# Altium PCB XTIDA-010086.PcbDoc (part 4 of 17) (continued)
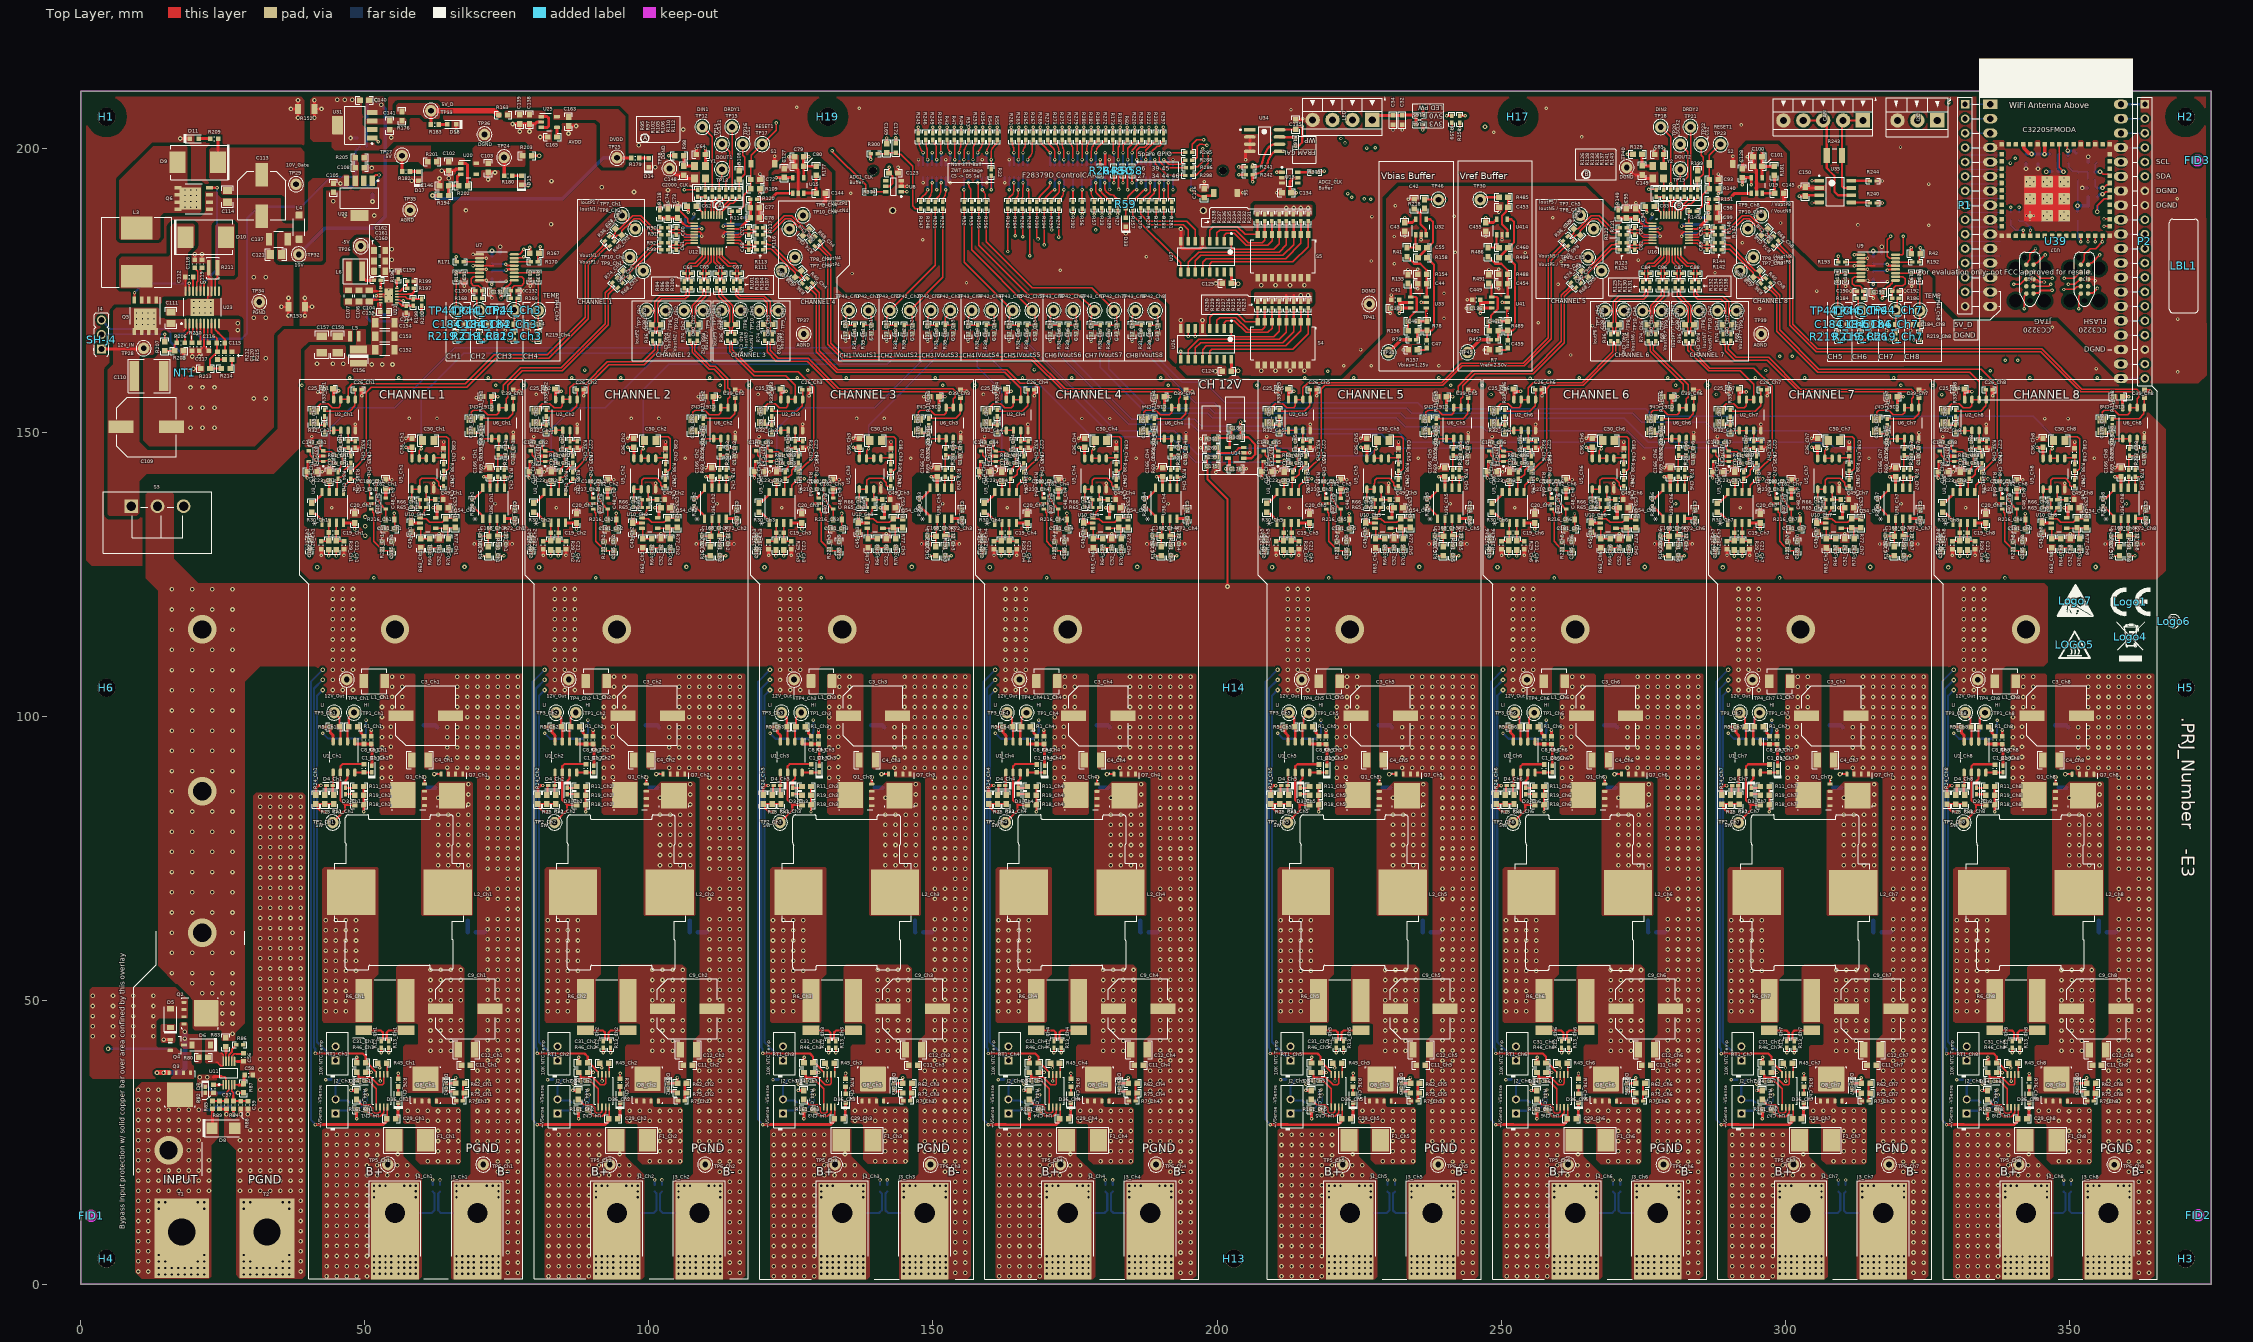
[diagram p0: Top Layer view]
## Components (designator, comment, footprint, x,y, rotation, side; value= is the part's Value field where it differs from the comment) (continued)
R219_Ch8 "PNM0402E5000BST1" 0402 323.681,166.814 r90 top value=500 (schematic designator R219)
R220 "CRCW04020000Z0ED" 0402 185.477,202.006 r90 top value=0
R221_Ch1 "ERA-3YEB302V" RESC1608X55X30NL20T20 53.035,129.985 r270 top (schematic designator R221)
R221_Ch2 "ERA-3YEB302V" RESC1608X55X30NL20T20 92.1,129.983 r270 top (schematic designator R221)
R221_Ch3 "ERA-3YEB302V" RESC1608X55X30NL20T20 131.775,129.981 r270 top (schematic designator R221)
R221_Ch4 "ERA-3YEB302V" RESC1608X55X30NL20T20 171.45,129.979 r270 top (schematic designator R221)
R221_Ch5 "ERA-3YEB302V" RESC1608X55X30NL20T20 221.125,129.977 r270 top (schematic designator R221)
R221_Ch6 "ERA-3YEB302V" RESC1608X55X30NL20T20 260.8,129.975 r270 top (schematic designator R221)
R221_Ch7 "ERA-3YEB302V" RESC1608X55X30NL20T20 300.474,129.973 r270 top (schematic designator R221)
R221_Ch8 "ERA-3YEB302V" RESC1608X55X30NL20T20 340.149,129.971 r270 top (schematic designator R221)
R222 "CRCW04020000Z0ED" 0402 188.025,202.006 r90 top value=0
R223 "CRCW040210K0FKED" 0402 216.036,172.378 r270 top value=10.0k
R224 "CRCW040210K0FKED" 0402 214.74,172.378 r270 top value=10.0k
R225 "CRCW040210K0FKED" 0402 213.496,172.378 r270 top value=10.0k
R226 "CRCW040210K0FKED" 0402 212.226,172.378 r270 top value=10.0k
R227 "CRCW040210K0FKED" 0402 210.956,172.378 r270 top value=10.0k
R228 "CRCW040210K0FKED" 0402 209.686,172.378 r270 top value=10.0k
R229 "CRCW040210K0FKED" 0402 208.416,172.378 r270 top value=10.0k
R230 "CRCW040210K0FKED" 0402 207.146,172.378 r270 top value=10.0k
R231 "CRCW040210K0FKED" 0402 216.036,187.736 r270 top value=10.0k
R232 "CRCW040210K0FKED" 0402 214.737,187.736 r270 top value=10.0k
R233 "CRCW040210K0FKED" 0402 213.445,187.736 r270 top value=10.0k
R234 "CRCW040210K0FKED" 0402 212.175,187.736 r270 top value=10.0k
R235 "CRCW040210K0FKED" 0402 210.93,187.736 r270 top value=10.0k
R236 "CRCW040210K0FKED" 0402 209.66,187.736 r270 top value=10.0k
R237 "CRCW040210K0FKED" 0402 208.39,187.736 r270 top value=10.0k
R238 "CRCW040210K0FKED" 0402 207.095,187.736 r270 top value=10.0k
R239 "FC0402E50R0BST1" 0402 189.299,202.006 r270 top value=50
R240 "CRCW040210K0FKED" 0402 315.501,190.322 r0 top value=10.0k
R241 "CRCW040210K0FKED" 0402 205.663,196.66 r180 top value=10.0k
R242 "CRCW040210K0FKED" 0402 205.663,195.288 r180 top value=10.0k
R243 "Res3" 14-1210 308.681,198.697 r0 top value=1K
R244 "CRCW040210K0FKED" 0402 315.501,194.192 r180 top value=10.0k
R245 "CRCW04020000Z0ED" 0402 147.437,202.006 r270 top value=0
R246 "CRCW04020000Z0ED" 0402 148.697,202.006 r270 top value=0
R247 "CRCW04020000Z0ED" 0402 147.864,189.922 r90 top value=0
R248 "CRCW04020000Z0ED" 0402 149.14,189.922 r90 top value=0
R249 "CRCW04020000Z0ED" 0402 149.957,202.006 r270 top value=0
R250 "CRCW04020000Z0ED" 0402 151.218,202.006 r270 top value=0
R251 "CRCW04020000Z0ED" 0402 150.416,189.922 r90 top value=0
R252 "CRCW04020000Z0ED" 0402 151.693,189.922 r90 top value=0
R253 "CRCW04020000Z0ED" 0402 157.518,202.006 r270 top value=0
R254 "CRCW04020000Z0ED" 0402 158.778,202.006 r270 top value=0
R255 "CRCW04020000Z0ED" 0402 158.073,189.922 r90 top value=0
R256 "CRCW04020000Z0ED" 0402 159.349,189.922 r90 top value=0
R257 "CRCW04020000Z0ED" 0402 185.196,189.959 r90 top value=0
R258 "CRCW040210K0FKED" 0402 242.748,205.08 r90 top value=10.0k
R259 "CRCW040210K0FKED" 0402 241.351,205.08 r90 top value=10.0k
R260 "13k 0603" 0603 199.017,147.221 r180 top value=13k
R261 "CRCW04020000Z0ED" 0402 163.819,202.006 r270 top value=0
R262 "CRCW04020000Z0ED" 0402 163.178,189.922 r90 top value=0
R263 "CRCW04020000Z0ED" 0402 165.093,202.006 r270 top value=0
R264 "CRCW04020000Z0ED" 0402 164.454,189.922 r90 top value=0
R265 "CRCW04020000Z0ED" 0402 166.367,202.006 r270 top value=0
R266 "CRCW04020000Z0ED" 0402 165.73,189.922 r90 top value=0
R267 "CRCW04020000Z0ED" 0402 167.641,202.006 r270 top value=0
R268 "CRCW04020000Z0ED" 0402 167.006,189.922 r90 top value=0
R269 "CRCW04020000Z0ED" 0402 168.915,202.006 r270 top value=0
R270 "CRCW04020000Z0ED" 0402 186.562,189.959 r90 top value=0
R271 "CRCW04020000Z0ED" 0402 170.189,202.006 r270 top value=0
R272 "CRCW04020000Z0ED" 0402 180.381,202.006 r90 top value=0
R273 "CRCW04020000Z0ED" 0402 171.463,202.006 r270 top value=0
R274 "CRCW04020000Z0ED" 0402 172.111,189.922 r90 top value=0
R275 "CRCW04020000Z0ED" 0402 172.737,202.006 r270 top value=0
R276 "CRCW04020000Z0ED" 0402 189.293,189.959 r90 top value=0
R277 "FC0402E50R0BST1" 0402 174.011,202.006 r270 top value=50
R278 "CRCW04020000Z0ED" 0402 187.927,189.959 r90 top value=0
R279 "FC0402E50R0BST1" 0402 175.285,202.006 r270 top value=50
R280 "FC0402E50R0BST1" 0402 176.559,202.006 r90 top value=50
R281 "CRCW04020000Z0ED" 0402 192.024,189.959 r270 top value=0
R282 "FC0402E50R0BST1" 0402 177.833,202.006 r90 top value=50
R283 "CRCW04020000Z0ED" 0402 190.658,189.959 r90 top value=0
R284 "FC0402E50R0BST1" 0402 179.107,202.006 r270 top value=50
R285 "FC0402E50R0BST1" 0402 195.033,199.263 r0 top value=50
R286 "FC0402E50R0BST1" 0402 195.059,196.535 r180 top value=50
R287_Ch1 "CRCW040211K0FKED" 0402 74.828,146.482 r90 top value=11.0k (schematic designator R287)
R287_Ch2 "CRCW040211K0FKED" 0402 113.894,146.48 r90 top value=11.0k (schematic designator R287)
R287_Ch3 "CRCW040211K0FKED" 0402 153.568,146.478 r90 top value=11.0k (schematic designator R287)
R287_Ch4 "CRCW040211K0FKED" 0402 193.243,146.476 r90 top value=11.0k (schematic designator R287)
R287_Ch5 "CRCW040211K0FKED" 0402 242.918,146.474 r90 top value=11.0k (schematic designator R287)
R287_Ch6 "CRCW040211K0FKED" 0402 282.593,146.472 r90 top value=11.0k (schematic designator R287)
R287_Ch7 "CRCW040211K0FKED" 0402 322.268,146.47 r90 top value=11.0k (schematic designator R287)
R287_Ch8 "CRCW040211K0FKED" 0402 361.942,146.468 r90 top value=11.0k (schematic designator R287)
R288 "FC0402E50R0BST1" 0402 195.033,197.873 r180 top value=50
R289 "CRCW04020000Z0ED" 0402 181.1,189.959 r90 top value=0
R290_Ch1 "CRCW04020000Z0ED" 0402 68.891,137.509 r90 top value=0 (schematic designator R290)
R290_Ch2 "CRCW04020000Z0ED" 0402 107.956,137.507 r90 top value=0 (schematic designator R290)
R290_Ch3 "CRCW04020000Z0ED" 0402 147.631,137.505 r90 top value=0 (schematic designator R290)
R290_Ch4 "CRCW04020000Z0ED" 0402 187.305,137.503 r90 top value=0 (schematic designator R290)
R290_Ch5 "CRCW04020000Z0ED" 0402 236.98,137.501 r90 top value=0 (schematic designator R290)
R290_Ch6 "CRCW04020000Z0ED" 0402 276.655,137.499 r90 top value=0 (schematic designator R290)
R290_Ch7 "CRCW04020000Z0ED" 0402 316.33,137.497 r90 top value=0 (schematic designator R290)
R290_Ch8 "CRCW04020000Z0ED" 0402 356.005,137.495 r90 top value=0 (schematic designator R290)
R291_Ch1 "CRCW060349K9FKEA" 0603 73.415,129.051 r270 top value=49.9k (schematic designator R291)
R291_Ch2 "CRCW060349K9FKEA" 0603 112.48,129.049 r270 top value=49.9k (schematic designator R291)
R291_Ch3 "CRCW060349K9FKEA" 0603 152.155,129.047 r270 top value=49.9k (schematic designator R291)
R291_Ch4 "CRCW060349K9FKEA" 0603 191.83,129.045 r270 top value=49.9k (schematic designator R291)
R291_Ch5 "CRCW060349K9FKEA" 0603 241.504,129.043 r270 top value=49.9k (schematic designator R291)
R291_Ch6 "CRCW060349K9FKEA" 0603 281.179,129.041 r270 top value=49.9k (schematic designator R291)
R291_Ch7 "CRCW060349K9FKEA" 0603 320.854,129.039 r270 top value=49.9k (schematic designator R291)
R291_Ch8 "CRCW060349K9FKEA" 0603 360.529,129.037 r270 top value=49.9k (schematic designator R291)
R292 "FC0402E50R0BST1" 0402 174.65,189.922 r270 top value=50
R293 "CRCW04020000Z0ED" 0402 168.282,189.922 r270 top value=0
R294 "CRCW04020000Z0ED" 0402 169.559,189.922 r270 top value=0
R295 "CRCW04020000Z0ED" 0402 170.835,189.922 r270 top value=0
R296 "CRCW04020000Z0ED" 0402 186.751,202.006 r90 top value=0
R297 "CRCW04020000Z0ED" 0402 190.573,202.006 r270 top value=0
R298 "FC0402E50R0BST1" 0402 195.033,195.162 r180 top value=50
R299 "RT0603BRD07100KL" 0603 199.017,145.606 r0 top value=100k
R300 "CRCW04020000Z0ED" 0402 139.656,199.007 r0 top value=0
R301 "RT0603BRD07100KL" 0603 199.017,148.822 r0 top value=100k
R302_Ch1 "CRCW04022K70JNED" 0402 70.51,149.149 r90 top value=2.7k (schematic designator R302)
R302_Ch2 "CRCW04022K70JNED" 0402 109.576,149.147 r90 top value=2.7k (schematic designator R302)
R302_Ch3 "CRCW04022K70JNED" 0402 149.25,149.145 r90 top value=2.7k (schematic designator R302)
R302_Ch4 "CRCW04022K70JNED" 0402 188.925,149.143 r90 top value=2.7k (schematic designator R302)
R302_Ch5 "CRCW04022K70JNED" 0402 238.6,149.141 r90 top value=2.7k (schematic designator R302)
R302_Ch6 "CRCW04022K70JNED" 0402 278.275,149.139 r90 top value=2.7k (schematic designator R302)
R302_Ch7 "CRCW04022K70JNED" 0402 317.95,149.137 r90 top value=2.7k (schematic designator R302)
R302_Ch8 "CRCW04022K70JNED" 0402 357.624,149.135 r90 top value=2.7k (schematic designator R302)
R303 "13k 0603" 0603 203.335,149.05 r180 top value=13k
R304 "FC0402E50R0BST1" 0402 138.875,192.302 r180 top value=50
R305 "FC0402E50R0BST1" 0402 217.218,195.745 r0 top value=50
R306 "RC0603FR-07100KL" 0603 347.447,198.933 r180 bottom value=100k
R307 "RC0603FR-07100KL" 0603 354.162,191.376 r180 bottom value=100k
R308 "RC0603FR-07100KL" 0603 354.162,189.756 r180 bottom value=100k
R309 "RC0603FR-07100KL" 0603 351.473,188.072 r90 bottom value=100k
R310 "CRCW04020000Z0ED" 0402 339.682,187.946 r90 bottom value=0
R311 "CRCW04020000Z0ED" 0402 341.161,187.946 r90 bottom value=0
R312 "FC0402E50R0BST1" 0402 351.619,194.996 r270 bottom value=50
R313 "CRCW04020000Z0ED" 0402 349.773,197.968 r90 bottom value=0
R314 "CRCW04020000Z0ED" 0402 353.858,195.802 r0 bottom value=0
R315 "CRCW04020000Z0ED" 0402 353.858,194.478 r0 bottom value=0
R316 "2.7k" 0603R 354.1,192.974 r0 bottom
R317 "RC0603FR-07100KL" 0603 354.162,197.472 r0 bottom value=100k
R318 "RC0603FR-07100KL" 0603 351.244,198.272 r90 bottom value=100k
R457 "ERJ-2GE0R00X" 0402 248.747,166.258 r180 top value=0
R485 "RG1608P-102-B-T5" 0603 250.424,191.326 r0 top value=1.00k
R486 "RG1608P-2491-B-T5" 0603 247.706,181.676 r270 top value=2.49k
R488 "RG1608P-4991-B-T5" 0603 250.38,177.763 r0 top value=4.99k
R489 "CRCW06032R00JNEA" 0603 251.211,168.676 r270 top value=2.0
R491 "RG1608P-102-B-T5" 0603 247.864,176.941 r270 top value=1.00k
R492 "RG1608P-4990-B-T5" 0603 248.697,167.844 r0 top value=499
R494 "RG1608P-303-B-T5" 0603 250.424,180.711 r0 top value=30.0k
RT1_Ch1 "Res Thermal" JST_B2B-EH-A 44.856,40.618 r90 top (schematic designator RT1)
RT1_Ch2 "Res Thermal" JST_B2B-EH-A 83.922,40.616 r90 top (schematic designator RT1)
RT1_Ch3 "Res Thermal" JST_B2B-EH-A 123.596,40.614 r90 top (schematic designator RT1)
RT1_Ch4 "Res Thermal" JST_B2B-EH-A 163.271,40.612 r90 top (schematic designator RT1)
RT1_Ch5 "Res Thermal" JST_B2B-EH-A 212.946,40.61 r90 top (schematic designator RT1)
RT1_Ch6 "Res Thermal" JST_B2B-EH-A 252.621,40.608 r90 top (schematic designator RT1)
RT1_Ch7 "Res Thermal" JST_B2B-EH-A 292.296,40.606 r90 top (schematic designator RT1)
RT1_Ch8 "Res Thermal" JST_B2B-EH-A 331.97,40.604 r90 top (schematic designator RT1)
S1 "Switch_PushButton" SW_TL1015AF160QG 120.043,197.231 r0 top
S2 "Switch_PushButton" SW_TL1015AF160QG 288.743,197.223 r0 top
S3 "L101011MS02Q" "SW_ L101011MS02Q" 13.487,134.087 r90 top
S4 "218-8LPST" SW_218-8LP 211.591,165.622 r270 top
S5 "218-8LPST" SW_218-8LP 211.591,180.979 r270 top
S6 "Switch_PushButton" SW_TL1015AF160QG 201.512,192.102 r0 top
SH-J4 "60900213421" WURTH_60900213421 3.658,166.218 r90 top
T1 "CB35-36-CY" CB35-36-CY 17.763,9.209 r90 top
T2 "CB35-36-CY" CB35-36-CY 32.749,9.209 r90 top
TP1_Ch1 "5002" KEYSTONE5002 48.067,100.612 r90 top (schematic designator TP1)
TP1_Ch2 "5002" KEYSTONE5002 87.133,100.61 r90 top (schematic designator TP1)
TP1_Ch3 "5002" KEYSTONE5002 126.807,100.608 r90 top (schematic designator TP1)
TP1_Ch4 "5002" KEYSTONE5002 166.482,100.606 r90 top (schematic designator TP1)
TP1_Ch5 "5002" KEYSTONE5002 216.157,100.604 r90 top (schematic designator TP1)
TP1_Ch6 "5002" KEYSTONE5002 255.832,100.602 r90 top (schematic designator TP1)
TP1_Ch7 "5002" KEYSTONE5002 295.507,100.6 r90 top (schematic designator TP1)
TP1_Ch8 "5002" KEYSTONE5002 335.181,100.598 r90 top (schematic designator TP1)
TP2_Ch1 "5000" KEYSTONE5000 44.333,81.262 r180 top (schematic designator TP2)
TP2_Ch2 "5000" KEYSTONE5000 83.398,81.26 r180 top (schematic designator TP2)
TP2_Ch3 "5000" KEYSTONE5000 123.073,81.258 r180 top (schematic designator TP2)
TP2_Ch4 "5000" KEYSTONE5000 162.748,81.256 r180 top (schematic designator TP2)
TP2_Ch5 "5000" KEYSTONE5000 212.423,81.254 r180 top (schematic designator TP2)
TP2_Ch6 "5000" KEYSTONE5000 252.097,81.252 r180 top (schematic designator TP2)
TP2_Ch7 "5000" KEYSTONE5000 291.772,81.25 r180 top (schematic designator TP2)
TP2_Ch8 "5000" KEYSTONE5000 331.447,81.248 r180 top (schematic designator TP2)
TP3_Ch1 "5002" KEYSTONE5002 44.597,100.612 r90 top (schematic designator TP3)
TP3_Ch2 "5002" KEYSTONE5002 83.663,100.61 r90 top (schematic designator TP3)
TP3_Ch3 "5002" KEYSTONE5002 123.337,100.608 r90 top (schematic designator TP3)
TP3_Ch4 "5002" KEYSTONE5002 163.012,100.606 r90 top (schematic designator TP3)
TP3_Ch5 "5002" KEYSTONE5002 212.687,100.604 r90 top (schematic designator TP3)
TP3_Ch6 "5002" KEYSTONE5002 252.362,100.602 r90 top (schematic designator TP3)
TP3_Ch7 "5002" KEYSTONE5002 292.037,100.6 r90 top (schematic designator TP3)
TP3_Ch8 "5002" KEYSTONE5002 331.711,100.598 r90 top (schematic designator TP3)
TP4_Ch1 "5000" KEYSTONE5000 46.812,106.426 r90 top (schematic designator TP4)
TP4_Ch2 "5000" KEYSTONE5000 85.877,106.424 r90 top (schematic designator TP4)
TP4_Ch3 "5000" KEYSTONE5000 125.552,106.422 r90 top (schematic designator TP4)
TP4_Ch4 "5000" KEYSTONE5000 165.227,106.42 r90 top (schematic designator TP4)
TP4_Ch5 "5000" KEYSTONE5000 214.902,106.418 r90 top (schematic designator TP4)
TP4_Ch6 "5000" KEYSTONE5000 254.577,106.416 r90 top (schematic designator TP4)
TP4_Ch7 "5000" KEYSTONE5000 294.251,106.414 r90 top (schematic designator TP4)
TP4_Ch8 "5000" KEYSTONE5000 333.926,106.412 r90 top (schematic designator TP4)
TP5_Ch1 "5000" KEYSTONE5000 54.035,21.057 r90 top (schematic designator TP5)
TP5_Ch2 "5000" KEYSTONE5000 93.101,21.055 r90 top (schematic designator TP5)
TP5_Ch3 "5000" KEYSTONE5000 132.775,21.053 r90 top (schematic designator TP5)
TP5_Ch4 "5000" KEYSTONE5000 172.45,21.051 r90 top (schematic designator TP5)
TP5_Ch5 "5000" KEYSTONE5000 222.125,21.049 r90 top (schematic designator TP5)
TP5_Ch6 "5000" KEYSTONE5000 261.8,21.047 r90 top (schematic designator TP5)
TP5_Ch7 "5000" KEYSTONE5000 301.475,21.045 r90 top (schematic designator TP5)
TP5_Ch8 "5000" KEYSTONE5000 341.149,21.043 r90 top (schematic designator TP5)
TP6_Ch1 "5001" KEYSTONE5001 70.841,21.057 r90 top (schematic designator TP6)
TP6_Ch2 "5001" KEYSTONE5001 109.906,21.055 r90 top (schematic designator TP6)
TP6_Ch3 "5001" KEYSTONE5001 149.581,21.053 r90 top (schematic designator TP6)
TP6_Ch4 "5001" KEYSTONE5001 189.255,21.051 r90 top (schematic designator TP6)
TP6_Ch5 "5001" KEYSTONE5001 238.93,21.049 r90 top (schematic designator TP6)
TP6_Ch6 "5001" KEYSTONE5001 278.605,21.047 r90 top (schematic designator TP6)
TP6_Ch7 "5001" KEYSTONE5001 318.28,21.045 r90 top (schematic designator TP6)
TP6_Ch8 "5001" KEYSTONE5001 357.955,21.043 r90 top (schematic designator TP6)
TP7_Ch1 "5002" KEYSTONE5002 95.239,188.141 r135 top (schematic designator TP7)
TP7_Ch2 "5002" KEYSTONE5002 99.587,171.366 r180 top (schematic designator TP7)
TP7_Ch3 "5002" KEYSTONE5002 112.793,171.415 r180 top (schematic designator TP7)
TP7_Ch4 "5002" KEYSTONE5002 123.34,178.399 r225 top (schematic designator TP7)
TP7_Ch5 "5002" KEYSTONE5002 263.929,188.143 r135 top (schematic designator TP7)
TP7_Ch6 "5002" KEYSTONE5002 268.28,171.358 r180 top (schematic designator TP7)
TP7_Ch7 "5002" KEYSTONE5002 281.491,171.358 r180 top (schematic designator TP7)
TP7_Ch8 "5002" KEYSTONE5002 292.039,178.391 r225 top (schematic designator TP7)
TP8_Ch1 "5002" KEYSTONE5002 97.61,185.77 r135 top (schematic designator TP8)
TP8_Ch2 "5002" KEYSTONE5002 102.94,171.366 r180 top (schematic designator TP8)
TP8_Ch3 "5002" KEYSTONE5002 116.145,171.415 r180 top (schematic designator TP8)
TP8_Ch4 "5002" KEYSTONE5002 125.711,180.77 r225 top (schematic designator TP8)
TP8_Ch5 "5002" KEYSTONE5002 266.299,185.773 r135 top (schematic designator TP8)
TP8_Ch6 "5002" KEYSTONE5002 271.633,171.358 r180 top (schematic designator TP8)
TP8_Ch7 "5002" KEYSTONE5002 284.844,171.358 r180 top (schematic designator TP8)
TP8_Ch8 "5002" KEYSTONE5002 294.41,180.762 r225 top (schematic designator TP8)
TP9_Ch1 "5002" KEYSTONE5002 98.993,178.399 r225 top (schematic designator TP9)
TP9_Ch2 "5002" KEYSTONE5002 109.542,171.366 r270 top (schematic designator TP9)
TP9_Ch3 "5002" KEYSTONE5002 122.761,171.366 r270 top (schematic designator TP9)
TP9_Ch4 "5002" KEYSTONE5002 127.108,188.141 r315 top (schematic designator TP9)
TP9_Ch5 "5002" KEYSTONE5002 267.693,178.391 r225 top (schematic designator TP9)
TP9_Ch6 "5002" KEYSTONE5002 278.273,171.327 r270 top (schematic designator TP9)
TP9_Ch7 "5002" KEYSTONE5002 291.467,171.351 r270 top (schematic designator TP9)
TP9_Ch8 "5002" KEYSTONE5002 295.818,188.157 r315 top (schematic designator TP9)
TP10_Ch1 "5002" KEYSTONE5002 96.623,180.77 r225 top (schematic designator TP10)
TP10_Ch2 "5002" KEYSTONE5002 106.189,171.366 r270 top (schematic designator TP10)
TP10_Ch3 "5002" KEYSTONE5002 119.408,171.366 r270 top (schematic designator TP10)
TP10_Ch4 "5002" KEYSTONE5002 124.738,185.77 r315 top (schematic designator TP10)
TP10_Ch5 "5002" KEYSTONE5002 265.322,180.762 r225 top (schematic designator TP10)
TP10_Ch6 "5002" KEYSTONE5002 274.92,171.327 r270 top (schematic designator TP10)
TP10_Ch7 "5002" KEYSTONE5002 288.114,171.351 r270 top (schematic designator TP10)
TP10_Ch8 "5002" KEYSTONE5002 293.447,185.787 r315 top (schematic designator TP10)
TP12 "5002" KEYSTONE5002 109.401,203.708 r180 top
TP13 "5002" KEYSTONE5002 112.855,196.241 r180 top
TP14 "5002" KEYSTONE5002 112.855,200.686 r180 top
TP15 "5002" KEYSTONE5002 114.643,203.708 r180 top
TP16 "5002" KEYSTONE5002 116.513,200.686 r180 top
TP17 "5002" KEYSTONE5002 119.942,200.686 r180 top
TP18 "5002" KEYSTONE5002 278.1,203.7 r180 top
TP19 "5002" KEYSTONE5002 281.554,196.233 r180 top
TP20 "5002" KEYSTONE5002 281.554,200.678 r180 top
TP21 "5002" KEYSTONE5002 283.342,203.7 r180 top
TP22 "5002" KEYSTONE5002 285.212,200.678 r180 top
TP23 "5002" KEYSTONE5002 288.641,200.678 r180 top
TP24 "5000" KEYSTONE5000 74.508,198.335 r90 top
TP25 "5000" KEYSTONE5000 94.361,198.272 r180 top
TP26 "5000" KEYSTONE5000 49.276,182.728 r180 top
TP27 "5000" KEYSTONE5000 56.54,198.653 r90 top
TP28 "5000" KEYSTONE5000 11.062,164.737 r180 top
TP29 "5000" KEYSTONE5000 37.871,193.617 r180 top
TP30 "5000" KEYSTONE5000 246.337,190.906 r0 top
TP31 "5000" KEYSTONE5000 230.193,164.015 r0 top
TP32 "5000" KEYSTONE5000 38.359,181.272 r90 top
TP33 "5000" KEYSTONE5000 61.62,206.553 r90 top
TP34 "5001" KEYSTONE5001 31.42,172.872 r90 top
TP35 "5001" KEYSTONE5001 57.963,189.052 r90 top
TP36 "5001" KEYSTONE5001 71.044,202.387 r90 top
TP37 "5001" KEYSTONE5001 127.247,167.242 r90 top
TP38 "5001" KEYSTONE5001 103.607,196.403 r90 top
TP39 "5001" KEYSTONE5001 295.8,167.242 r90 top
TP40 "5001" KEYSTONE5001 272.11,196.561 r90 top
TP41 "5001" KEYSTONE5001 226.819,172.541 r90 top
TP42_Ch1 "5002" KEYSTONE5002 138.675,171.394 r90 top (schematic designator TP42)
TP42_Ch2 "5002" KEYSTONE5002 145.877,171.394 r90 top (schematic designator TP42)
TP42_Ch3 "5002" KEYSTONE5002 153.079,171.394 r90 top (schematic designator TP42)
TP42_Ch4 "5002" KEYSTONE5002 160.28,171.394 r90 top (schematic designator TP42)
TP42_Ch5 "5002" KEYSTONE5002 167.482,171.394 r90 top (schematic designator TP42)
TP42_Ch6 "5002" KEYSTONE5002 174.684,171.394 r90 top (schematic designator TP42)
TP42_Ch7 "5002" KEYSTONE5002 181.886,171.394 r90 top (schematic designator TP42)
TP42_Ch8 "5002" KEYSTONE5002 189.087,171.394 r90 top (schematic designator TP42)
TP43_Ch1 "5002" KEYSTONE5002 135.23,171.394 r90 top (schematic designator TP43)
TP43_Ch2 "5002" KEYSTONE5002 142.431,171.394 r90 top (schematic designator TP43)
TP43_Ch3 "5002" KEYSTONE5002 149.633,171.394 r90 top (schematic designator TP43)
TP43_Ch4 "5002" KEYSTONE5002 156.835,171.394 r90 top (schematic designator TP43)
TP43_Ch5 "5002" KEYSTONE5002 164.036,171.394 r90 top (schematic designator TP43)
TP43_Ch6 "5002" KEYSTONE5002 171.238,171.394 r90 top (schematic designator TP43)
TP43_Ch7 "5002" KEYSTONE5002 178.44,171.394 r90 top (schematic designator TP43)
TP43_Ch8 "5002" KEYSTONE5002 185.641,171.394 r90 top (schematic designator TP43)
TP44_Ch1 "5002" KEYSTONE5002 66.088,171.388 r180 top (schematic designator TP44)
TP44_Ch2 "5002" KEYSTONE5002 70.188,171.388 r180 top (schematic designator TP44)
TP44_Ch3 "5002" KEYSTONE5002 76.288,171.463 r180 top (schematic designator TP44)
TP44_Ch4 "5002" KEYSTONE5002 80.515,171.388 r0 top (schematic designator TP44)
TP44_Ch5 "5002" KEYSTONE5002 309.253,171.358 r180 top (schematic designator TP44)
TP44_Ch6 "5002" KEYSTONE5002 313.354,171.358 r180 top (schematic designator TP44)
TP44_Ch7 "5002" KEYSTONE5002 319.454,171.433 r180 top (schematic designator TP44)
TP44_Ch8 "5002" KEYSTONE5002 323.681,171.358 r180 top (schematic designator TP44)
TP45 "5000" KEYSTONE5000 244.094,164.015 r0 top
TP46 "5000" KEYSTONE5000 238.989,190.906 r0 top
U1_Ch1 "LM5109BMAX/NOPB" D0008A_N 46.314,92.788 r270 top (schematic designator U1)
U1_Ch2 "LM5109BMAX/NOPB" D0008A_N 85.379,92.786 r270 top (schematic designator U1)
U1_Ch3 "LM5109BMAX/NOPB" D0008A_N 125.054,92.784 r270 top (schematic designator U1)
U1_Ch4 "LM5109BMAX/NOPB" D0008A_N 164.728,92.782 r270 top (schematic designator U1)
U1_Ch5 "LM5109BMAX/NOPB" D0008A_N 214.403,92.78 r270 top (schematic designator U1)
U1_Ch6 "LM5109BMAX/NOPB" D0008A_N 254.078,92.778 r270 top (schematic designator U1)
U1_Ch7 "LM5109BMAX/NOPB" D0008A_N 293.753,92.776 r270 top (schematic designator U1)
U1_Ch8 "LM5109BMAX/NOPB" D0008A_N 333.428,92.774 r270 top (schematic designator U1)
U2_Ch1 "TLV2171IDR" D0008A_N 46.403,153.01 r90 top (schematic designator U2)
U2_Ch2 "TLV2171IDR" D0008A_N 85.469,153.008 r90 top (schematic designator U2)
U2_Ch3 "TLV2171IDR" D0008A_N 125.143,153.006 r90 top (schematic designator U2)
U2_Ch4 "TLV2171IDR" D0008A_N 164.818,153.004 r90 top (schematic designator U2)
U2_Ch5 "TLV2171IDR" D0008A_N 214.493,153.002 r90 top (schematic designator U2)
U2_Ch6 "TLV2171IDR" D0008A_N 254.168,153 r90 top (schematic designator U2)
U2_Ch7 "TLV2171IDR" D0008A_N 293.843,152.998 r90 top (schematic designator U2)
U2_Ch8 "TLV2171IDR" D0008A_N 333.517,152.996 r90 top (schematic designator U2)
U3_Ch1 "INA818ID" SOIC-8_TEX 44.359,136.735 r90 top (schematic designator U3)
U3_Ch2 "INA818ID" SOIC-8_TEX 83.424,136.733 r90 top (schematic designator U3)
U3_Ch3 "INA818ID" SOIC-8_TEX 123.099,136.731 r90 top (schematic designator U3)
U3_Ch4 "INA818ID" SOIC-8_TEX 162.773,136.729 r90 top (schematic designator U3)
U3_Ch5 "INA818ID" SOIC-8_TEX 212.448,136.727 r90 top (schematic designator U3)
U3_Ch6 "INA818ID" SOIC-8_TEX 252.123,136.725 r90 top (schematic designator U3)
U3_Ch7 "INA818ID" SOIC-8_TEX 291.798,136.723 r90 top (schematic designator U3)
U3_Ch8 "INA818ID" SOIC-8_TEX 331.473,136.721 r90 top (schematic designator U3)
U4_Ch1 "TLC3702CPW" PW8-L 52.993,34.056 r90 top (schematic designator U4)
U4_Ch2 "TLC3702CPW" PW8-L 92.058,34.054 r90 top (schematic designator U4)
U4_Ch3 "TLC3702CPW" PW8-L 131.733,34.052 r90 top (schematic designator U4)
U4_Ch4 "TLC3702CPW" PW8-L 171.408,34.05 r90 top (schematic designator U4)
U4_Ch5 "TLC3702CPW" PW8-L 221.082,34.048 r90 top (schematic designator U4)
U4_Ch6 "TLC3702CPW" PW8-L 260.757,34.046 r90 top (schematic designator U4)
U4_Ch7 "TLC3702CPW" PW8-L 300.432,34.044 r90 top (schematic designator U4)
U4_Ch8 "TLC3702CPW" PW8-L 340.107,34.042 r90 top (schematic designator U4)
U5_Ch1 "TLV2171IDR" D0008A_N 60.198,142.652 r90 top (schematic designator U5)
U5_Ch2 "TLV2171IDR" D0008A_N 99.263,142.65 r90 top (schematic designator U5)
U5_Ch3 "TLV2171IDR" D0008A_N 138.938,142.648 r90 top (schematic designator U5)
U5_Ch4 "TLV2171IDR" D0008A_N 178.613,142.646 r90 top (schematic designator U5)
U5_Ch5 "TLV2171IDR" D0008A_N 228.288,142.644 r90 top (schematic designator U5)
U5_Ch6 "TLV2171IDR" D0008A_N 267.962,142.642 r90 top (schematic designator U5)
U5_Ch7 "TLV2171IDR" D0008A_N 307.637,142.64 r90 top (schematic designator U5)
U5_Ch8 "TLV2171IDR" D0008A_N 347.312,142.638 r90 top (schematic designator U5)
U6_Ch1 "TLV2171IDR" D0008A_N 74.219,151.587 r90 top (schematic designator U6)
U6_Ch2 "TLV2171IDR" D0008A_N 113.284,151.585 r90 top (schematic designator U6)
U6_Ch3 "TLV2171IDR" D0008A_N 152.959,151.583 r90 top (schematic designator U6)
U6_Ch4 "TLV2171IDR" D0008A_N 192.634,151.581 r90 top (schematic designator U6)
U6_Ch5 "TLV2171IDR" D0008A_N 242.308,151.579 r90 top (schematic designator U6)
U6_Ch6 "TLV2171IDR" D0008A_N 281.983,151.577 r90 top (schematic designator U6)
U6_Ch7 "TLV2171IDR" D0008A_N 321.658,151.575 r90 top (schematic designator U6)
U6_Ch8 "TLV2171IDR" D0008A_N 361.333,151.573 r90 top (schematic designator U6)
U7 "ADS1119IPW" PW0016A_M 73.238,178.987 r0 top value=Value
U8 "SN74LVC2G17DBVT" DBV0006A_N 143.053,193.252 r180 top
U9 "ADS1119IPW" PW0016A_M 316.404,178.957 r0 top value=Value
U10_Ch1 "TLV171IDBVR" DBV0005A_N#1 61.087,133.996 r0 top (schematic designator U10)
U10_Ch2 "TLV171IDBVR" DBV0005A_N#1 100.152,133.994 r0 top (schematic designator U10)
U10_Ch3 "TLV171IDBVR" DBV0005A_N#1 139.827,133.992 r0 top (schematic designator U10)
U10_Ch4 "TLV171IDBVR" DBV0005A_N#1 179.502,133.99 r0 top (schematic designator U10)
U10_Ch5 "TLV171IDBVR" DBV0005A_N#1 229.177,133.988 r0 top (schematic designator U10)
U10_Ch6 "TLV171IDBVR" DBV0005A_N#1 268.851,133.986 r0 top (schematic designator U10)
U10_Ch7 "TLV171IDBVR" DBV0005A_N#1 308.526,133.984 r0 top (schematic designator U10)
U10_Ch8 "TLV171IDBVR" DBV0005A_N#1 348.201,133.982 r0 top (schematic designator U10)
U11 "LM5060MM/NOPB" MUB10A_N 26.043,37.18 r90 top
U12 "ADS131M08IPBSR" PBS0032A_N 111.179,185.014 r90 top
U13 "SN74LVC2G17DBVT" DBV0006A_N 212.817,194.795 r0 top
U14 "TLV171IDBVR" DBV0005A_N#1 203.31,146.332 r180 top
U15 "REF2025DBV" DBV0005A_N#2 126.297,193.408 r90 top
U16 "ADS131M08IPBSR" PBS0032A_N 279.878,185.006 r90 top
U17 "CC3220MODA" CC3220MODASF12MONR 347.623,196.296 r90 top
U19 "REF2025DBV" DBV0005A_N#2 294.996,193.4 r90 top
U20 "LP5907MFX-3.3/NOPB" DBV0005A_N#2 68.235,196.338 r0 top
U21 "TPS63710DRR" DRR0012C 54.204,174.04 r180 top
U22 "LP38693MP-5.0/NOPB" NDC0005A_N 49.047,191.19 r270 top
U23 "LM5118MH/NOPB" MXA20A_N 21.374,171.95 r90 top
U25 "TPS73633DBVR" DBV0005A_N#2 82.436,204.572 r0 top
U26 "SN74HC148DR" D0016A-MFG 198.087,165.531 r270 top
U27 "SN74HC148DR" D0016A-MFG 198.087,180.889 r270 top
U31 "LP38693MP-5.0/NOPB" NDC0005A_N 48.235,204.013 r180 top
U32 "OPA378AIDBVT" DBV0005A_N#1 235.917,186.095 r90 top
U33 "OPA837IDBVR" DBV6_TEX 235.46,172.811 r180 top
U34 "FM24V10-G" FP-51-85066-IPC_A 208.39,201.31 r0 top
U35 "SN65HVD234DR" D0008A_M 308.839,192.329 r0 top
U36_Ch1 "INA818ID" SOIC-8_TEX 72.65,137.484 r90 top (schematic designator U36)
U36_Ch2 "INA818ID" SOIC-8_TEX 111.715,137.482 r90 top (schematic designator U36)
U36_Ch3 "INA818ID" SOIC-8_TEX 151.39,137.48 r90 top (schematic designator U36)
U36_Ch4 "INA818ID" SOIC-8_TEX 191.065,137.478 r90 top (schematic designator U36)
U36_Ch5 "INA818ID" SOIC-8_TEX 240.739,137.476 r90 top (schematic designator U36)
U36_Ch6 "INA818ID" SOIC-8_TEX 280.414,137.474 r90 top (schematic designator U36)
U36_Ch7 "INA818ID" SOIC-8_TEX 320.089,137.472 r90 top (schematic designator U36)
U36_Ch8 "INA818ID" SOIC-8_TEX 359.764,137.47 r90 top (schematic designator U36)
U37_Ch1 "OPA320AIDBVR" DBV0005A_L#1 41.394,145.753 r180 top (schematic designator U37)